# Altium PCB example.PcbDoc (continued)
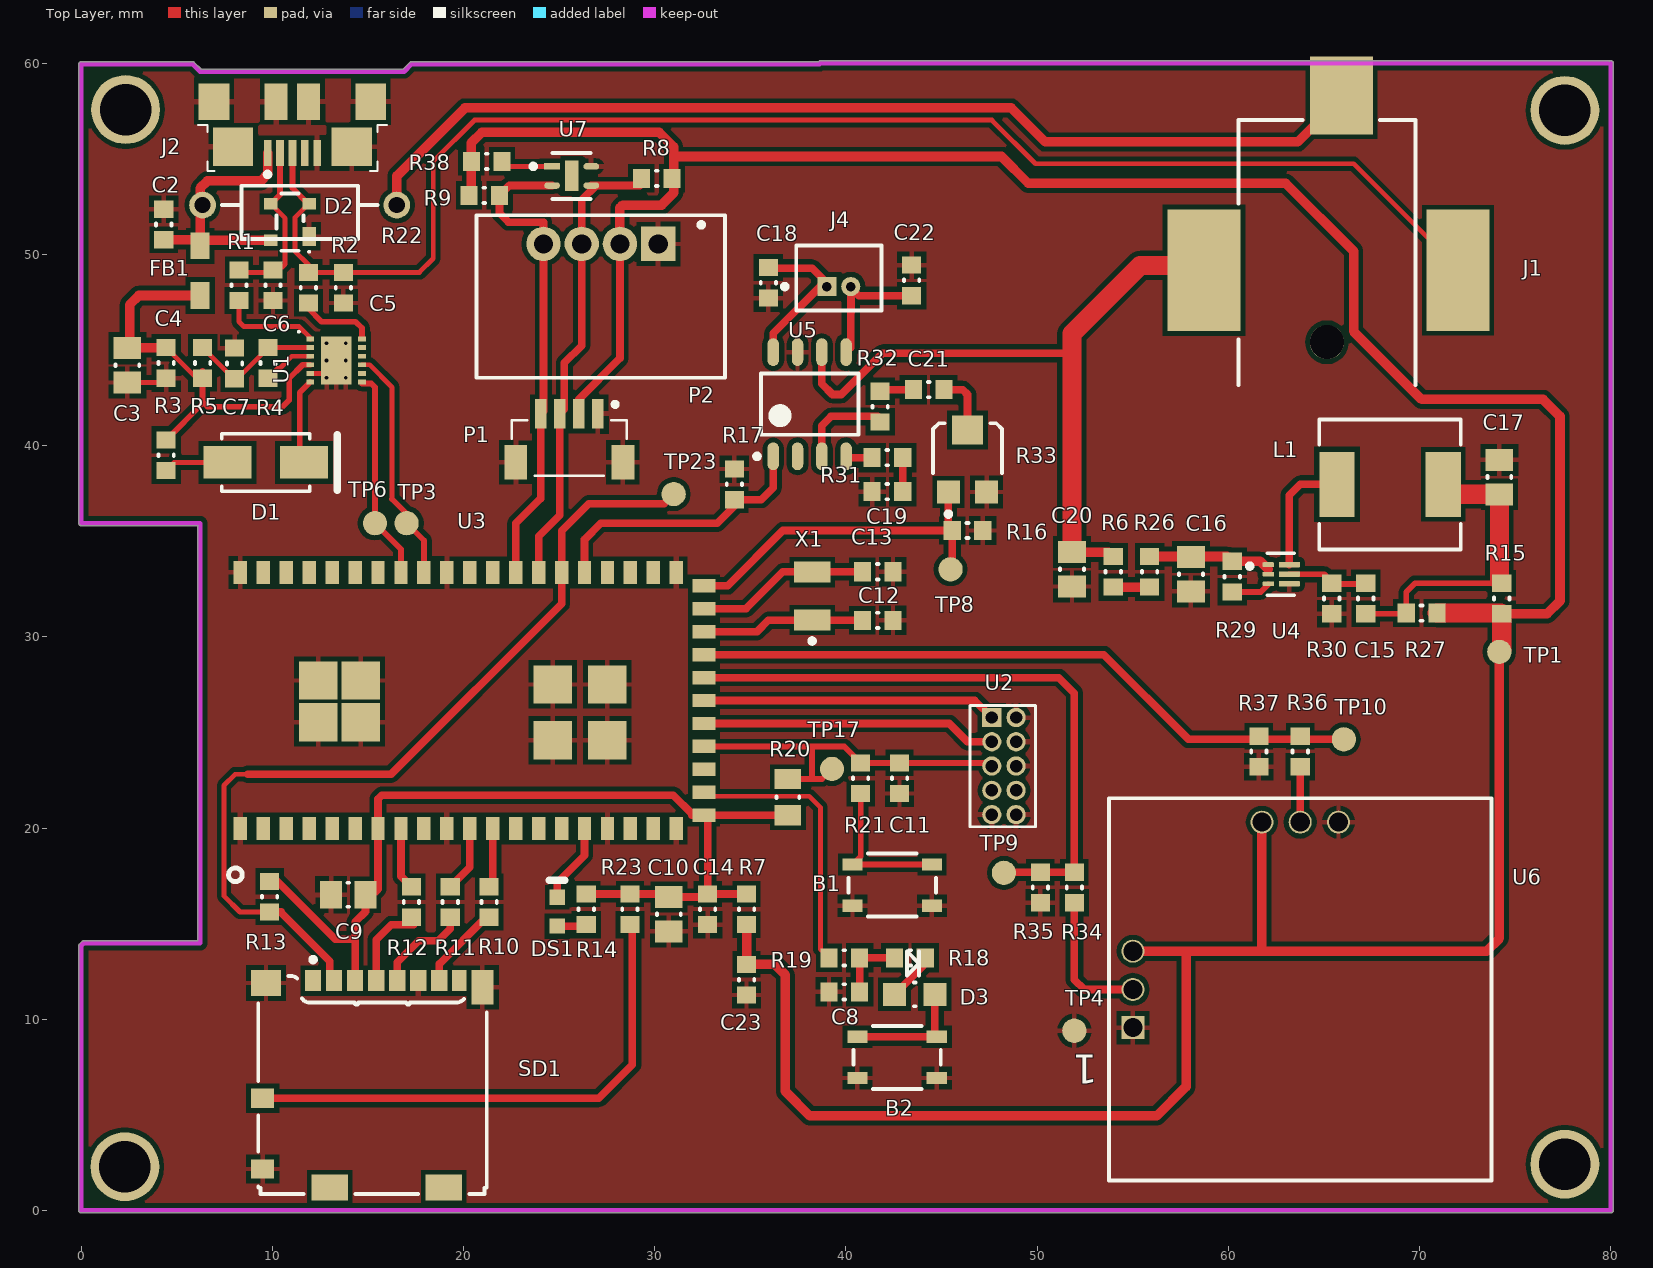
[diagram p0: Top Layer view]
## Part data (continued)
D3 J2: library part CMP-1674-00001-5, "LED Uni-Color Red, 100 mW, 200 mA, -55 to 85 degC, 2-Pin SMD, RoHS, Tape and Reel", Colour=Red, Manufacturer=Lite-On, Max Operating Temperature="85 degC", Min Operating Temperature="-55 degC", Package Quantity=3000, ComponentLink1Description="Manufacturer URL", ComponentLink1URL=http://www.us.liteon.com/, ComponentLink2Description=Datasheet, ComponentLink2URL=http://media.digikey.com/pdf/Data%20Sheets/Lite-On%20PDFs/LTST-C170CKT.pdf, DatasheetVersion=03/2003, Height="1.1 mm", Length="2 mm", Mount="Surface Mount", Mounting Technology="Surface Mount", PackageDescription="2-Pin Surface Mount Device, Body 2 x 1.25 mm", PackageReference=C170CKT, Packaging="Tape and Reel", Pins=2, RoHSCompliant=true
DS1: library part CMP-2000-05198-1, "Chip LED, Green, 574 nm, 40 pF, -55 to 85 degC, 2-Pin SMD, RoHS, Tape and Reel", Emitting Color=YellowGreen, Forward Current=30mA, Forward Voltage=2.4V, Manufacturer=Lite-On, Operating Temp Range=-55Cto85C, Operating Temperature Classification=Industrial, Package Type=ChipLed, Power Dissipation=75W, Reverse Voltage=5V, Test Current (It)=20mA, Chip Material=AlGaInP, Datasheet URL=http://download.siliconexpert.com/pdfs/2007/08/26/semi_b/manual/lot/ds/ltst-c191kgkt.pdf, Datasheet Version=Jan-07, DELETED=Compliant, Dominant Wave Length=571nm, High Brightness=Yes, Lens Dimensions=1.1X0.8X0.37mm, Lum Intensity=35mcd, Luminous Intensity=35mcd, Main Category=ChipLED, Manufacturer URL=http://www.us.liteon.com/, Mounting=SurfaceMount, Number of Elements=1, Packaging=TapeandReel, Peak Wavelength=574nm, Pin Count=2, Product Depth (mm)=0.8mm, Product Height (mm)=0.55mm, Product Length (mm)=1.6mm, Rad Hardened=No, Shape Type=Rectangular, Type=Uni-Color, Viewing Angle=130deg
FB1: library part CMP-0686-00610-2, "Chip Ferrite Bead for Power Lines, 220 Ohm, 2000 mA, -55 to 125 degC, 2 x 1.25 x 1.05 mm SMD, Tape and Reel", DC Resistance="0.045 Ohm Max.", Manufacturer=Murata, Operating Temperature Range="-55 to 125 degC", Rated Current="2000 mA", ComponentLink1Description="Manufacturer URL", ComponentLink1URL=http://www.murata.com/, ComponentLink2Description=Datasheet, ComponentLink2URL=http://www.murata.com/products/catalog/pdf/c31e.pdf, ComponentLink3Description="Package Specification", ComponentLink3URL=http://www.murata.com/products/catalog/pdf/c31e.pdf, DatasheetVersion=08/2013, Impedance (at 100 MHz)="220 Ohm +/- 25%", Mounting Technology="Surface Mount", PackageDescription="2-Pin Chip, Body 2 x 1.25 mm", PackageReference=BLM21_H1050-2, Packing="Tape and Reel", PartNumber=BLM21PG221SN1D
J1: library part CMP-0031-00001-1, "Connector; USBMicro-B,Reverse type, SMT; 5 Position; Right Angle", Operating Temperature="-30 to 85 degC", PartNumber=ZX62R-B-5P, ComponentLink1Description="Manufacturer URL", ComponentLink1URL=http://www.hirose.com/â€Ž, ComponentLink2Description=Datasheet, ComponentLink2URL=http://www.hirose.co.jp/cataloge_hp/e24200011.pdf, DatasheetVersion=08/2010, Mounting Technology="Surface Mount", PackageDescription="5-Pin USB Micro-B R/A Connector", PackageReference=ZX62R-B-5P
J4: library part CMP-2000-05628-3, "CONN HEADER VERT 2POS 1.25MM", Ambient Temperature Range High=+85°C, Ambient Temperature Range Low=-40°C, Current Rating=1A, Manufacturer=Molex, Package=0, Temperature="-40°C to +85°C", Voltage Rating=125V, Automotive=No, Category=Conn, ComponentLink2Description=Datasheet, ComponentLink2URL=http://www.molex.com/webdocs/datasheets/pdf/en-us/0530470210_PCB_HEADERS.pdf, Conn Gender=Male, Conn Orientation=Vertical, Contact Material=Tin, Device Class L1=Connectors, Device Class L2="Headers and Wire Housings", Device Class L3=unset, Digikey Description="CONN HEADER VERT 2POS 1.25MM", Footprint Url=https://www.molex.com/pdm_docs/sd/530470210_sd.pdf, Height=4.4mm, Lead Free=Yes, Manufacturer Part Number=53047-0210, Mouser Description="1.25mm Pitch PicoBlade™ Wire-to-Board Header, Vertical, with Friction Lock, 2 Circuits", Number of Contacts=2, Number of Rows=1, Octopart=https://octopart.com/53047-0210-molex-276772, Pitch=1.25mm, RoHS=TRUE, Temperature Range High=+85°C, Temperature Range Low=-40°C
L1: library part CMP-08253-000017-1, "FIX IND 470NH 26.1A 2.97MOHM SMD", Inductance=470nH, Manufacturer=TDK, Package=SPM6550, Rms Current=20.5A, Series Resistance=2.97mΩ, Temperature="-40°C to +125°C", Temperature Range High=+125°C, Temperature Range Low=-40°C, Test Frequency=100kHz, Tolerance=20%, Automotive=Yes, Automotive Grade="Grade 1", Category=Ind, ComponentLink2Description=Datasheet, ComponentLink2URL=https://product.tdk.com/info/en/catalog/datasheets/inductor_automotive_power_spm6550-hz_en.pdf, Composition=Wirewound, Core Material=Metal, Device Class L1="Passive Components", Device Class L2=Inductors, Device Class L3="Fixed Inductors", Digikey Description="FIX IND 470NH 26.1A 2.97MOHM SMD", Height=5mm, Lead Free=Yes, Manufacturer Part Number=SPM6550T-R47M-HZ, Octopart=https://octopart.com/spm6550t-r47m-hz-tdk-90326484, RoHS=TRUE, Saturation Current=20.5A, Shielding=true, Standoff Height=0.15mm
P1: "Connector Header Surface Mount 4 position 0.039 _1.00mm_", Package=None, Availability=Unavailable, MF="JST Sales", MP=BM04B-SRSS-TBT_LF__SN_, Price=None, SnapEDA_Link=https://www.snapeda.com/parts/BM04B-SRSS-TBT%28LF%29%28SN%29/JST%20Sales%20America%20Inc./view-part/1647403/?ref=snap
P2: Color=Natural,White, Contact Resistance=20mR, Current Rating=2A, Flammability Rating="UL94 V-0", Housing Color=Beige, Insulation Resistance=1GR, Manufacturer=JST, Max Operating Temperature=85°C, Max Voltage Rating (AC)=100V, Min Operating Temperature=-25°C, Supplier Part Number 1=455-1736-1-ND, Category=Connectors, ComponentLink1Description=https://datasheet.ciiva.com/8052/1699381-8052048.pdf?src-supplier=Element14, ComponentLink1URL=https://datasheet.ciiva.com/8052/1699381-8052048.pdf?src-supplier=Element14, ComponentLink2Description=https://datasheet.ciiva.com/11747/0900766b80ddea81-11747504.pdf?src-supplier=RSComponents, ComponentLink2URL=https://datasheet.ciiva.com/11747/0900766b80ddea81-11747504.pdf?src-supplier=RSComponents, ComponentLink3Description=https://datasheet.ciiva.com/6747/80567-6747409.pdf?src-supplier=Newark, ComponentLink3URL=https://datasheet.ciiva.com/6747/80567-6747409.pdf?src-supplier=Newark, ComponentLink4Description=https://datasheet.ciiva.com/727/eph-727525.pdf?src-supplier=Digi-Key, ComponentLink4URL=https://datasheet.ciiva.com/727/eph-727525.pdf?src-supplier=Digi-Key, ComponentLink5Description=https://datasheet.ciiva.com/712/eph-712582.pdf?src-supplier=Digi-Key, ComponentLink5URL=https://datasheet.ciiva.com/712/eph-712582.pdf?src-supplier=Digi-Key, ComponentLink6Description=https://datasheet.ciiva.com/712/eph-712583.pdf?src-supplier=Digi-Key, ComponentLink6URL=https://datasheet.ciiva.com/712/eph-712583.pdf?src-supplier=Digi-Key, Connector Type="Male Pin", Contact Material="Copper Alloy,Bronze,Tin,Brass", Contact Mating Length=0.13inch, Contact Plating=Tin,Copper, Depth=5mm, Fastening Type=Detent, Gender=Male, Height=9.4mm, Housing Material=Polyamide, Lead Free="Lead Free", Lead Pitch=2mm, Length=11.95mm, Manufacturer Part Number=B4B-PH-SM4-TB(LF)(SN), Max Current Rating=2A, Mount="Surface Mount", Number of Contacts=4, Number of Poles=4, Number of Positions=4, Number of Rows=1, Orientation=Straight, Packaging="Tape and Reel", Pitch=2mm, REACH SVHC="No SVHC", RoHS=Yes, Supplier 1=Digi-Key, Termination=Solder, Voltage Rating=100V, Voltage Rating (AC)=100V, Width=5.5mm, Working Voltage=100V
R1 R2 R8 R9 R10: library part CMP-1012-00331-1, "27R 0.1W 1% 0603 (1608 Metric)  SMD", Case-EIA=0603, Case-Metric=1608, Power="0.1 W", Tolerance="1 %", Technology=SMT
R3 R5 R7: library part CMP-1012-00510-1, "1K 0.1W 1% 0603 (1608 Metric)  SMD", Case-EIA=0603, Case-Metric=1608, Power="0.1 W", Tolerance="1 %", Technology=SMT
R4 R6 R26 R27 R38: library part CMP-1012-00001-1, "Jumper 0603 (1608 Metric)", Case-EIA=0603, Case-Metric=1608, Power=None, Technology=SMT, Tolerance=None
R11 R12 R17: library part CMP-00174-A.4, "Fiducial 40x100mm"
R13 R14 R16 R20 R22 R23 R34 R35 R36 R37: library part CMP-1012-00623-1, "10K 0.1W 1% 0603 (1608 Metric)  SMD", Case-EIA=0603, Case-Metric=1608, Power="0.1 W", Tolerance="1 %", Technology=SMT
R15 R21 R31 R32: library part CMP-1012-00397-1, "100R 0.1W 1% 0603 (1608 Metric)  SMD", Case-EIA=0603, Case-Metric=1608, Power="0.1 W", Tolerance="1 %", Technology=SMT
R18: library part CMP-47995-000002-1, "CONN PWR JACK 2.1X5.5MM SOLDER", Case/Package=SMD/SMT, Color=Black, Current Rating=5A, Manufacturer=Switchcraft, Manufacturer Part Number=RASM722PTR13X, Package Quantity=120, Supplier Part Number 1=SC2028-1-ND, Category="Power Connectors", ComponentLink1Description=https://datasheet.ciiva.com/17/edg4-17820.pdf?src-supplier=Digi-Key, ComponentLink1URL=https://datasheet.ciiva.com/17/edg4-17820.pdf?src-supplier=Digi-Key, ComponentLink2Description=https://datasheet.ciiva.com/18496/edg4-18496955.pdf?src-supplier=Digi-Key, ComponentLink2URL=https://datasheet.ciiva.com/18496/edg4-18496955.pdf?src-supplier=Digi-Key, ComponentLink3Description=https://datasheet.ciiva.com/18496/edg4-18496956.pdf?src-supplier=Digi-Key, ComponentLink3URL=https://datasheet.ciiva.com/18496/edg4-18496956.pdf?src-supplier=Digi-Key, ComponentLink4Description=https://datasheet.ciiva.com/18496/edg4-18496957.pdf?src-supplier=Digi-Key, ComponentLink4URL=https://datasheet.ciiva.com/18496/edg4-18496957.pdf?src-supplier=Digi-Key, Connector Type=Jack, Contact Material="Copper Alloy", Contact Plating=Tin, Gender=Male, Housing Color=Black, Housing Material=Thermoplastic, Mount="Surface Mount", Pricing 1="1=2.04000, 10=1.95800, 25=1.79520, 50=1.71360 (USD)", RoHS=Yes, Shielding=Unshielded, Stock 1=5317, Supplier 1=Digi-Key, Termination=Solder
R19: library part CMP-1011-00810-1, "453K 0.063W 1% 0402 (1005 Metric)  SMD", Case-EIA=0402, Case-Metric=1005, Power="0.063 W", Tolerance="1 %", Technology=SMT
R29 R30: library part CMP-1012-00736-1, "100K 0.1W 1% 0603 (1608 Metric)  SMD", Case-EIA=0603, Case-Metric=1608, Power="0.1 W", Tolerance="1 %", Technology=SMT
R33: library part CMP-2100-03695-1, "Trimming Potentiometer, 10000 Ohm, -40 to 100 degC, 3-Pin SMD, RoHS, Tape and Reel", Case/Package=SMD/SMT, Colour=Silver, Manufacturer=Bourns, Max Operating Temperature=100degC, Max Power Dissipation=100mW, Min Operating Temperature=-40degC, Package Description="3-Pin Surface Mount Device, Body 3.8 x 3.6 mm", Package Quantity=2500, Package Reference=TC33X-2, Resistance=10KOhm, Temperature Coefficient=250ppm/degreesC, Tolerance=25%, Voltage Rating (DC)=50V, Composition=Potentiometer, Contact Plating=Silver, Datasheet URL=http://www.bourns.com/docs/Product-Datasheets/TC33.pdf, Datasheet Version=42583.0, Depth=3.8mm, Height=0.047inch, Lead Free=LeadFree, Length=3mm, Manufacturer URL=http://www.bourns.com/, Military Standard=Not, Mount=SurfaceMount, Number of Turns=1, Packaging=TapeandReel, Power Rating=100mW, Radiation Hardening=No, REACH SVHC=NoSVHC, RoHSCompliant=true, Taper=Linear, Termination=FootPrint, Weight=29.4mg, Width=0.118inch
SD1: library part CMP-2000-05825-1, "Micro SD Card, RA, -25 to 85 degC, 8-Pin SMD, RoHS, Tape and Reel", Current Rating=500mA, Manufacturer=Molex, Package Description="8-Pin Surface Mount Device, Body 11.95 x 11.4 mm, Pitch 1.1 mm", Voltage Rating=10VAC/DC, Brand=Molex, Card Type=microSD, Contact Material=PhosphorBronze, Contact Plating=Gold, Datasheet URL=http://www.molex.com/pdm_docs/sd/1040310811_sd.pdf, Datasheet Version="Rev. E, 04/2006", Height=1.42mm, Housing Material=LiquidCrystalPolymer(LCP), Insertion - Extraction Style=Push-Pull, Length=11.4mm, Manufacturer URL=http://www.molex.com/, Mating Cycles=10000, Mounting Technology=SurfaceMount, Mounting Type=Standard, Number of Contacts=8, Number of Rows=1Row, Orientation=RightAngle, Package Reference=104031-0811, Packaging=Reel, Pitch=1.1mm, Product=CardConnectors, Product Category=MemoryCardConnectors, RoHS=True, Series=104031, Termination Style=SMD
TP1 TP3 TP4 TP6 TP8 TP9 TP10 TP17 TP23: library part "0.1\" Pad-A.4"
U1: library part CMP-0248-00027-3, "IC USB SERIAL BASIC UART 12DFN", Case/Package=DFN, Max Operating Temperature=85°C, Max Supply Voltage=5.5V, Min Operating Temperature=-40°C, Min Supply Voltage=2.97V, Operating Supply Current=8mA, Operating Supply Voltage=5V, Package Quantity=5000, Data Rate=3Mbps, Height=0.75mm, Interface=UART, Lead Free="Lead Free", Length=3mm, Mount="Surface Mount", Number of Pins=12, Number of Ports=1, Number of Transceivers=1, Packaging="Tape and Reel", REACH SVHC="No SVHC", Width=3mm
U2: "CONN HEADER 10POS UNSHD VERT T/H", Current Rating="10 A", Manufacturer="Amphenol / FCI", Supplier Part Number 1=609-3712-ND, Voltage Rating="125 V", Brand=FCI, ComponentLink1Description=https://datasheet.ciiva.com/1433/1079612-1433267.pdf, ComponentLink1URL=https://datasheet.ciiva.com/1433/1079612-1433267.pdf, ComponentLink2Description=https://datasheet.ciiva.com/409/20021111-409158.pdf, ComponentLink2URL=https://datasheet.ciiva.com/409/20021111-409158.pdf, ComponentLink3Description=https://datasheet.ciiva.com/5131/20021111-5131386.pdf, ComponentLink3URL=https://datasheet.ciiva.com/5131/20021111-5131386.pdf, ComponentLink4Description=https://datasheet.ciiva.com/9465/20021111-9465402.pdf, ComponentLink4URL=https://datasheet.ciiva.com/9465/20021111-9465402.pdf, Contact Material=Nickel, Contact Plating=Gold, Factory Pack Quantity=93, Housing Material=Plastic, Manufacturer Part Number=20021111-00010T4LF, Mating Post Length="3.05 mm", Mounting Angle=Vertical, Mounting Style="Through Hole", Number of Positions=10, Number of Positions / Contacts=10, Number of Rows=2, Packaging=Tube, Pitch="1.27 mm", Product Category="Headers & Wire Housings", Product Type=Headers, RoHS=Details, Series=Minitek, Stack Height="2.5 mm", Supplier 1=Digi-Key, Termination Post Length="2.3 mm", Termination Style="Through Hole", Type=Unshrouded
U3: "RF TXRX MODULE WIFI TRACE ANT", Current - Receiving=-, Frequency=2.4GHz, Manufacturer=Atmel, Manufacturer Part Number=ATSAMW25H18-MR510PB, Operating Temperature="-40°C ~ 85°C", Package / Case=Module, Power - Output=17dBm, Supplier Part Number 1=ATSAMW25H18-MR510PB-ND, Voltage - Supply="2.7 V ~ 4.2 V", Antenna Type="Integrated, Trace", Category="RF/IF and RFID", ComponentLink1Description=http://www.atmel.com/devices/ATSAMW25.aspx, ComponentLink1URL=http://www.atmel.com/devices/ATSAMW25.aspx, ComponentLink2Description=http://www.farnell.com/datasheets/1965115.pdf, ComponentLink2URL=http://www.farnell.com/datasheets/1965115.pdf, Current - Transmitting=-, Data Rate=65Mbps, Family="RF Transceiver Modules", Memory Size="256kB Flash, 32kB SRAM", Modulation=-, Mounting Type="Surface Mount", Packaging=Tray, Pricing 1="1=19.14 (USD)", Protocol=802.11b/g/n, RF Family/Standard=WiFi, Sensitivity=-95.5dBm, Serial Interfaces="SPI, UART", Series="Xplained Pro", Stock 1=120, Supplier 1=Digikey
U4: "2.4V-5.5V input, 4A step-down converter with 1% Accuracy in 1.5mm x 1.5mm QFN 6-VSON-HR -40 to 125", Manufacturer="Texas Instruments", Supplier Part Number 1=296-TPS62827DMQRCT-ND, Category="Voltage Regulators - Switching", Manufacturer Part Number=TPS62827DMQR, Pricing 1="1=1.93000, 10=1.73000, 25=1.63240, 100=1.30590, 250=1.14268, 500=1.11004, 1000=0.88150 (USD)", RoHS=Yes, RoHS Compliant=Yes, Supplier 1=Digi-Key
U5: library part CMP-12733-000002-1, "IC AMP CLASS D MONO 2.5W 8MSOP", Manufacturer="Diodes Inc.", Max Junction Temp=+125°C, Max Supply Voltage=5.5V, Min Supply Voltage=2V, Nominal Supply Current=4mA, Package=MSOP-8, Power At Speaker R="2.5W @ 4Ω", Temperature="-40°C to +85°C", Temperature Range High=+85°C, Temperature Range Low=-40°C, Voltage Gain=24dB, Automotive=No, Category=IC, ComponentLink2Description=Datasheet, ComponentLink2URL=https://www.diodes.com/assets/Datasheets/PAM8302A.pdf, Device Class L1="Integrated Circuits (ICs)", Device Class L2="Linear ICs", Device Class L3="Amplifiers - Audio", Digikey Description="IC AMP CLASS D MONO 2.5W 8MSOP", Footprint Url=https://www.diodes.com/assets/Package-Files/MSOP-8.pdf, Height=1.1mm, Ipc Land Pattern Name=SOP65P490X110-8, Lead Free=Yes, Manufacturer Part Number=PAM8302AASCR, Mouser Description="Audio Amplifiers 2.5W MONO FILTERLESS CLASS-D AUDIO AMP", Number Of Channels=1, Octopart=https://octopart.com/pam8302aascr-diodes+inc.-29030473, RoHS=TRUE, Standoff Height=0.05mm
U6: "JOYSTICK 10K OHM 2 AXIS TH", Manufacturer="Adafruit Industries", Manufacturer Part Number=2765, Resistance=10kR, Supplier Part Number 1=1528-1730-ND, ComponentLink1Description=https://media.digikey.com/pdf/Data%20Sheets/Adafruit%20PDFs/2765_Web.pdf?src-supplier=Digi-Key, ComponentLink1URL=https://media.digikey.com/pdf/Data%20Sheets/Adafruit%20PDFs/2765_Web.pdf?src-supplier=Digi-Key, Height=0.472inch, Length=0.707inch, Mount="Through Hole", Packaging=Bulk, Pricing 1="1=2.50000 (USD)", RoHS=Yes, Stock 1=17, Supplier 1=Digi-Key, Width=0.697inch
U7: library part CMP-144040-000003-1, "SENSOR HUMI/TEMP I2C 2% SMD", Manufacturer=Sensirion, Max Supply Voltage=3.6V, Min Supply Voltage=1.62V, Operating Supply Current=0.3-900uA, Package=0, Temperature="-40°C to +125°C", Temperature Range High=+125°C, Temperature Range Low=-40°C, Accuracy=2%, Automotive=No, Category=IC, ComponentLink2Description=Datasheet, ComponentLink2URL=https://www.sensirion.com/fileadmin/user_upload/customers/sensirion/Dokumente/0_Datasheets/Humidity/Sensirion_Humidity_Sensors_SHTC3_Datasheet.pdf, Device Class L1=Sensors, Device Class L2="Temperature and Humidity Sensors", Device Class L3=unset, Digikey Description="SENSOR HUMI/TEMP I2C 2% SMD", Height=0.75mm, Interface=I2C, Ipc Land Pattern Name=DFN200X200X75-4, Lead Free=Yes, Manufacturer Part Number=SHTC3, Mouser Description="SHTC3 Series 0 to 100% RH 3.6 V Humidity and Temperature Sensor IC - DFN-4", Octopart=https://octopart.com/shtc3-sensirion-91912225, Resolution=16bits, RoHS=TRUE, Sensor Output=I2C
X1: library part CMP-0447-00001-2, "Crystal, 32.768 kHz, 12.5 pF, -40 to 85 degC, SMD Low Profile 3.2 x 1.5 x 0.9 mm, Tape and Reel", Equivalent Series Resistance (R1)="70 Kohm", Frequency="32.768 kHz", Frequency Tolerance @+25degC="+/- 20 ppm", Insulation Resistance (Min)="500 Mohm", Load Capacitance (CL)="12.5 pF", Manufacturer=Abracon, Operating Temperature="-40 to 85 degC", Q Value (Type)=30000, Shunt Capacitance (C0)="0.9 to 1.2 pF", ComponentLink1Description="Manufacturer URL", ComponentLink1URL=http://www.abracon.com/, ComponentLink2Description=Datasheet, ComponentLink2URL=http://www.abracon.com/Resonators/ABS07.pdf, ComponentLink3Description="Package Specification", ComponentLink3URL=http://www.abracon.com/Resonators/ABS07.pdf, DatasheetVersion=04.03.13, Drive Level (Type)="0.1 uW", Mounting Technology="Surface Mount", Operation Mode="Flexural Mode (Tuning Fork)", PackageDescription="2-Pin Hand Drawn, Body 3.2x1.5mm, Pitch 2.5mm", PackageReference=ABS07-2, Packing="Tape and Reel", PartNumber=ABS07-32.768KHz-T

## Free pads (board coordinates)
  round 3.6 hole 2.7 paste-2.6: HH1(2.325,57.574) HH2(77.597,57.531) HH3(2.286,2.286) HH4(77.597,2.413)

## Via types
v1: diameter 0.5, hole 0.2, Top Layer to Bottom Layer, 6 vias

## Nets (pads, with @x,y where several pads share a name; then routed paths per layer and width w, separated by ;. In a path a pad name is that pad's centre, name@x,y a point inside that pad or via, vN(x,y) a via of type N, cw(c..) or ccw(c..) an arc to the next point about the centre after c; other vN are vias at no path point)
3.3V: C23.2 P1.2 P2.2 R7.2 R8.2 R9.2 R15.1 R27.2 R38.1 TP1.1 U6.3 U6.6 | length 184.7
  Top Layer w0.4: P1.2 26.027,42.41 28.178,44.561 P2.2 ; R8.2@30.899,53.759 R8.2
  Top Layer w0.5: R9.2 20.409,53.213 R38.1 20.409,55.842 20.955,56.388 30.226,56.388 30.988,55.626 30.988,55.118 ; P2.2 28.178,52.435 28.321,52.578 30.353,52.578 30.988,53.213 30.988,55.118 ; R7.2 C23.2 36.284,12.865 36.83,12.319 36.83,6.223 38.1,4.953 56.261,4.953 57.785,6.477 57.785,13.557 ; U6.3 57.785,13.557 ; 61.754,13.652 U6.6 ; TP1.1 74.168,14.224 73.501,13.557 57.785,13.557 ; R15.1 76.67,31.204 77.343,31.877 77.343,41.529 76.454,42.418 70.104,42.418 66.545,45.977 66.545,50.168 62.992,53.721 49.53,53.721 48.133,55.118 30.988,55.118
  Top Layer w1: R27.2 R15.1@74.257,31.242 ; TP1.1@74.295,29.337 R15.1
3V3: C9.2 C10.2 C14.2 R7.1 R13.2 R14.1 R20.2 R23.2 SD1.3 U3.7 U3.21 | length 50.5
  Top Layer w0.4: R13.2 10.249,17.208 13.284,14.173 14.327,14.173 ; SD1.3 14.327,14.173 ; C9.2 14.87,15.632 14.327,15.089 14.327,14.173 ; C9.2@15.113,16.394 15.526,16.808 U3.7 15.526,21.521 15.723,21.717 30.972,21.717 31.931,20.758 31.931,20.666 U3.21 ; R14.1 R23.2 30.58,16.548 C10.2 32.612,16.394 C14.2 ; R7.1 C14.2 ; R20.2 U3.21 ; U3.21 32.766,20.468 C14.2
5V: C20.2 J1.2 R6.1 U5.6 | length 38.1
  Top Layer w0.4: U5.6 38.735,43.231 39.294,42.672 39.751,42.672 41.91,44.831 51.689,44.831 51.816,44.704
  Top Layer w0.5: C20.2 53.748,34.428 R6.1
  Top Layer w1: C20.2 51.816,44.704 51.816,45.847 55.39,49.421 58.467,49.421 J1.2
ADC_IN_VREFP: U3.34
"AUDIO +_6": C22.2 J4.2 U5.5 | length 8.1
  Top Layer w0.4: U5.5 40.249,45.133 J4.2 ; 40.259,46.99 40.259,48.26 40.678,47.841 C22.2
"AUDIO -_6": C18.2 J4.1 U5.8 | length 8.4
  Top Layer w0.4: C18.2@35.814,49.276 38.227,49.276 38.862,48.641 J4.1@38.862,48.318 ; U5.8 36.195,45.872 38.641,48.318 J4.1@38.862,48.318 ; J4.1 J4.1@38.862,48.318
"AUDIO V_S\D\_1": R17.2 U3.36 U5.1 | length 14.7
  Top Layer w0.4: U3.36 26.326,35.089 27.178,35.941 33.274,35.941 R17.2@34.506,37.173 ; R17.2 R17.2@34.506,37.173 ; U5.1 36.195,38.862 36.195,37.795 35.573,37.173 R17.2@34.506,37.173
CBUS0_4: D1.2 U1.6 | length 4.5
  Top Layer w0.3: D1.2 11.43,39.338 11.43,42.77 U1.6
DAC_OUT_VREFP: U3.33
"DEBUG INPUT_3": R19.1 U3.22 | length 14.6
  Top Layer w0.254: U3.22 32.567,21.659 38.081,21.659 38.659,21.082 38.659,13.661 R19.1
FLASH_MEM_SPI_SS: R13.1 SD1.2 TP23.1 U3.37 | length 45.9
  Top Layer w0.254: 8.712,22.809 8.052,22.809 7.468,22.225 7.468,16.447 8.306,15.608 R13.1
  Top Layer w0.4: 8.712,22.809 16.205,22.809 25.126,31.73 U3.37 25.126,35.54 26.543,36.957 30.48,36.957 TP23.1 ; R13.1 10.465,15.608 10.465,15.562 13.006,13.02 13.006,12.237 SD1.2
GND: B1.3 B1.4 B2.3 B2.4 C2.1 C3.1 C4.1 C5.1 C6.1 C7.1 C8.1 C9.1 C10.1 C11.1 C12.1 C13.1 C14.1 C16.1 C17.1 C18.1 C19.2 C20.1 C22.1 C23.1 D2.1 J2.5 J2.6 J2.7 J2.8 J2.9 J2.10 J2.11 P1.1 P1.SH1 P1.SH2 P2.1 R16.1 R17.1 R30.1 R33.3 R35.1 R37.1 SD1.6 SD1.10 SD1.11 SD1.12 TP4.1 U1.5 U1.13 U2.2 U2.4 U2.6 U2.9 U2.10 U3.0 U3.1 U3.10 U3.17 U3.20 U3.32 U3.42 U3.51 U4.4 U5.7 U6.1 U6.4 U7.4 | length 3.1
  Top Layer w0.254: C3.1 4.218,43.296 C4.1 ; U1.5 12.61,43.775 v1(12.835,43.55)
  other v1: 13.835,43.55 12.835,44.45 13.835,44.45 12.835,45.35 13.835,45.35
I2C_SCL_1: P1.4 P2.4 R9.1 U3.39 U7.2 | length 25.3
  Top Layer w0.4: U3.39 22.726,35.934 24.027,37.235 P1.4 24.178,41.807 24.178,51.689 22.352,51.689 21.882,52.159 R9.1 22.398,53.602 U7.2
I2C_SDA_1: P1.3 P2.3 R8.1 U3.38 U7.3 | length 24.4
  Top Layer w0.4: U3.38 23.926,35.265 25.027,36.366 P1.3 25.273,41.902 25.273,44.323 26.178,45.228 P2.3 26.178,52.848 U7.3@26.924,53.594 ; U7.3 29.218,53.602 29.299,53.683 R8.1
JOYSTICK_X_1: R34.1 R35.2 TP9.1 U3.27 | length 32.7
  Top Layer w0.4: U3.27 51.128,27.866 51.943,27.051 R34.1 R35.2 TP9.1@48.298,17.691
JOYSTICK_Y_1: R36.1 R37.2 TP10.1 U3.28 | length 35.3
  Top Layer w0.4: U3.28 53.484,29.066 57.912,24.638 TP10.1
MCU_LED: DS1.2 U3.16 | length 4.2
  Top Layer w0.4: DS1.2 24.892,17.145 26.326,18.579 U3.16
MCU_RESET: C11.2 R20.1 R21.2 TP17.1 U2.5 U3.24 | length 19.6
  Top Layer w0.3: U3.24 38.227,24.266 ; R20.1 38.745,22.565 TP17.1 ; 38.227,22.642 38.227,24.266 ; U2.5 47.46,23.406 R21.2 39.907,24.266 38.227,24.266
MCU_RX_UART_CLI_1: TP6.1 U1.7 U3.44 | length 11
  Top Layer w0.3: U1.7@14.685,43.246 15.174,43.246 15.367,43.053 TP6.1 16.726,34.582 U3.44
MCU_TX_UART_CLI_1: TP3.1 U1.9 U3.43 | length 12.4
  Top Layer w0.254: U1.9 15.084,44.225 16.256,43.053 16.256,37.211
  Top Layer w0.3: 16.256,37.211 17.018,36.449 TP3.1 17.926,35.033 U3.43
MEM_SPI_CLK: R10.2 SD1.7 | length 4.5
  Top Layer w0.4: SD1.7 18.727,12.885 21.171,15.329 R10.2
MEM_SPI_MISO: R11.2 SD1.4 | length 4.4
  Top Layer w0.4: SD1.4 15.428,14.158 16.218,14.948 R11.2@17.399,14.948
MEM_SPI_MOSI: R12.1 SD1.5 | length 5.1
  Top Layer w0.4: SD1.5 16.528,12.972 17.653,14.097 18.669,14.097 19.304,14.732 R12.1
NetB1_1: B2.1 B2.2 D3.2 | length 6.4
  Top Layer w0.4: B2.1 B2.2 44.645,9.178 D3.2
NetB2_1: B1.1 B1.2 R21.1 | length 8
  Top Layer w0.3: R21.1 40.767,18.517 B1.1 B1.2
NetC8_2: C8.2 R18.2 R19.2 | length 3.6
  Top Layer w0.4: C8.2 R19.2 R18.2
NetC15_1: C15.1 R30.2 U4.3 | length 4.2
  Top Layer w0.3: U4.3 65.024,33.274 65.532,32.766 67.145,32.766 C15.1
NetC15_2: C15.2 C17.2 L1.2 R15.2 R27.1 | length 15.8
  Top Layer w0.3: C15.2 69.266,31.204 R27.1 69.304,32.347 69.761,32.804 R15.2
  Top Layer w1: L1.2@71.374,37.592 71.512,37.454 C17.2 R15.2@74.168,32.931
NetC16_2: C16.2 R26.2 R29.1 U4.1 U4.6 | length 6.5
  Top Layer w0.5: R26.2 59.944,34.201 R29.1 61.669,33.947 62.088,33.528
NetC19_1: C19.1 R31.1 | length 1.8
  Top Layer w0.4: C19.1 R31.1
NetC21_1: C21.1 R32.1 | length 1.8
  Top Layer w0.4: R32.1 41.872,42.926 C21.1
NetC21_2: C21.2 R33.2 | length 3.2
  Top Layer w0.4: C21.2 46.101,42.926 46.355,42.672 R33.2
NetD1_1: D1.1 R3.1 | length 3.4
  Top Layer w0.254: R3.1 4.864,39.116 D1.1
NetD3_1: D3.1 R18.1 | length 2.6
  Top Layer w0.4: D3.1 44.141,12.899 R18.1
NetDS1_1: DS1.1 R14.2 | length 1.4
  Top Layer w0.4: DS1.1 R14.2@26.339,14.871
NetL1_1: L1.1 U4.5 | length 6.4
  Top Layer w0.4: U4.5 63.188,37.407 63.754,37.973 L1.1
NetR29_2: R29.2 U4.2 | length 2.1
  Top Layer w0.3: R29.2 61.69,32.347 U4.2@62.088,32.745
NetR31_2: R31.2 U5.4 | length 1.3
  Top Layer w0.4: U5.4@40.074,39.37 R31.2
NetR32_2: R32.2 U5.3 | length 5.3
  Top Layer w0.4: U5.3 38.735,41.046 39.218,41.529 41.656,41.529 R32.2@42.037,41.148
NetR34_2: R34.2 U6.2 | length 7.3
  Top Layer w0.4: R34.2 51.943,12.065 52.451,11.557 U6.2
NetR36_2: R36.2 U6.5 | length 2.9
  Top Layer w0.4: U6.5 R36.2
NetR38_2: R38.2 U7.1 | length 2.7
  Top Layer w0.254: R38.2 22.271,54.602 U7.1
RS_4: C7.2 R4.2 R5.2 U1.2 | length 7
  Top Layer w0.254: R5.2 7.975,43.498 C7.2 8.154,43.498 R4.2 9.781,45.125 U1.2
SD_CARD_DETECT: R23.1 SD1.9 | length 27.4
  Top Layer w0.4: SD1.9 27.075,5.866 28.829,7.62 28.829,14.821 R23.1
SERCOM1_PAD2_SPI_MISO: R11.1 U3.8 | length 3.3
  Top Layer w0.4: U3.8 16.726,17.474 R11.1
SERCOM1_PAD2_SPI_MOSI: R12.2 U3.11 | length 3.5
  Top Layer w0.4: R12.2 20.326,17.951 U3.11
SERCOM1_PAD3_SPI_SCK: R10.1 U3.12 | length 3.1
  Top Layer w0.4: R10.1@21.526,16.865 U3.12
SPEAKER_OUT_1: R16.2 R33.1 TP8.1 U3.31 | length 18.3
  Top Layer w0.4: U3.31 33.809,32.666 36.703,35.56 R16.2 ; R33.1 45.355,35.76 R16.2 ; TP8.1 45.555,33.617 R16.2
SWCLK: U2.3 U3.25 | length 15.5
  Top Layer w0.4: U3.25 45.4,25.466 46.355,24.511 U2.3
SWDIO: U2.1 U3.26 | length 15.4
  Top Layer w0.4: U3.26 46.74,26.666 U2.1
USB_DATA_N: C6.2 D2.3 J2.2 R1.1 | length 8.8
  Top Layer w0.254: R1.1@8.382,49.06 10.236,49.06 10.668,49.492 10.668,51.893 D2.3
  Top Layer w0.3: D2.3 10.399,53.116 J2.2
USB_DATA_P: C5.2 D2.2 J1.3 J2.3 R2.1 | length 76.6
  Top Layer w0.254: D2.2@11.895,52.639 11.176,51.92 11.176,50.165 11.887,49.454 R2.1 C5.2 17.691,49.06 18.415,49.784 18.415,54.864 20.57,57.019 47.629,57.019 49.911,54.737 66.548,54.737 J1.3@71.864,49.421
  Top Layer w0.3: J2.3 11.049,53.467 11.877,52.639 D2.2@11.895,52.639
USB_FTDI_DATA_4_N: R1.2 U1.1 | length 5.2
  Top Layer w0.254: R1.2 8.255,46.482 8.509,46.228 11.39,46.228 U1.1@11.985,45.633 ; U1.1@11.956,45.604 U1.1
USB_FTDI_DATA_4_P: R2.2 U1.12 | length 4
  Top Layer w0.3: R2.2 11.887,47.168 12.573,46.482 14.351,46.482 14.685,46.148 U1.12@14.685,45.654
VBUS: C2.2 D2.4 FB1.1 J2.1 R22.2 | length 13.8
  Top Layer w0.5: C2.2 5.91,50.762 FB1.1 ; J2.1 9.749,54.199 9.398,53.848 6.604,53.848 6.223,53.467 FB1.1 ; D2.4 6.513,50.739 FB1.1
VBUS-1: J1.1 R22.1 | length 54.1
  Top Layer w0.5: R22.1 16.51,54.102 20.066,57.658 48.641,57.658 50.419,55.88 63.627,55.88 J1.1@65.913,58.166
VCCIO_4: R4.1 U1.3 | length 2.7
  Top Layer w0.254: R4.1 10.287,44.031 10.376,44.031 11.02,44.675 U1.3
VIN: R6.2 R26.1 | length 1.9
  Top Layer w0.5: R6.2 R26.1
VOUT: 
VUSB: C3.2 C4.2 FB1.2 R3.2 R5.1 U1.4 | length 22
  Top Layer w0.254: C4.2 6.045,43.523 R5.1 R5.1@6.35,43.657
  Top Layer w0.3: R3.2 6.35,42.202 6.35,42.291 ; R5.1@6.223,43.396 R5.1 ; R5.1@6.35,43.904 6.35,42.291 ; U1.4 11.586,44.225 10.876,43.515 10.876,42.372 10.541,42.037 6.604,42.037 6.35,42.291
  Top Layer w0.5: C3.2@2.54,45.604 2.54,47.371 3.018,47.849 FB1.2 ; C3.2@2.694,45.123 C4.2
XIN_32_3: C12.2 U3.29 X1.1 | length 8.6
  Top Layer w0.4: U3.29 35.346,30.266 35.941,30.861 C12.2 C12.2@40.801,30.806
XOUT_32_3: C13.2 U3.30 X1.2 | length 9.1
  Top Layer w0.4: U3.30 34.768,31.466 36.703,33.401 C13.2
pads on no net: J1. J2.4 SD1.1 SD1.8 SD1.13 SD1.14 U1.8 U1.10 U1.11 U2.7 U2.8 U3.2 U3.3 U3.4 U3.5 U3.6 U3.9 U3.13 U3.14 U3.15 U3.18 U3.19 U3.23 U3.35 U3.40 U3.41 U3.45 U3.46 U3.47 U3.48 U3.49 U3.50 U5.2 U7.5

## Polygon pours and split planes (outlines as drawn)
GND on Top Layer "Top Layer-No Net" (solid, pour order 2): -0.068,59.995 -0.068,35.992 6.155,35.992 6.409,35.738 6.409,33.071 6.409,14.275 6.155,14.021 0.059,14.021 -0.068,13.894 -0.068,0.051 79.932,0.051 79.805,0.178 79.805,60.051 -0.012,60.051 -0.068,59.995

## Keep-outs
Keep-Out Layer:
  lines w0.254: 38.608,59.944 17.272,59.944 16.891,59.563 6.223,59.563 5.842,59.944 0,59.944 0,35.941 6.223,35.941 6.223,13.97 0.127,13.97 0,13.843 0,0 80,0 80,60 ; 38.664,60 50.094,60 50.165,60 79.873,60

## Silkscreen, mask and mechanical layers (free items; w line width, h text height)
Mechanical 4:
  lines w0.254: 0,0 0,13.843 0.127,13.97 5.334,13.97 6.223,13.97 ; 6.223,35.941 0,35.941 0,59.944 4.826,59.944 5.842,59.944 6.223,59.563 16.891,59.563 17.272,59.944 37.719,59.944 38.608,59.944 ; 50.094,60 80,60 80.01,59.99 80.01,0.01 80,0

## Text inside footprints (layer, text, board x,y; h text height)
J2: Mechanical 1 "Board edge" at 5.461,59.309 h0.2 r180
U6: Top Overlay "1" at 53.175,8.153 h1.5 r180